# Altium PCB PCB1_done2.PcbDoc (part 2 of 3) (continued)
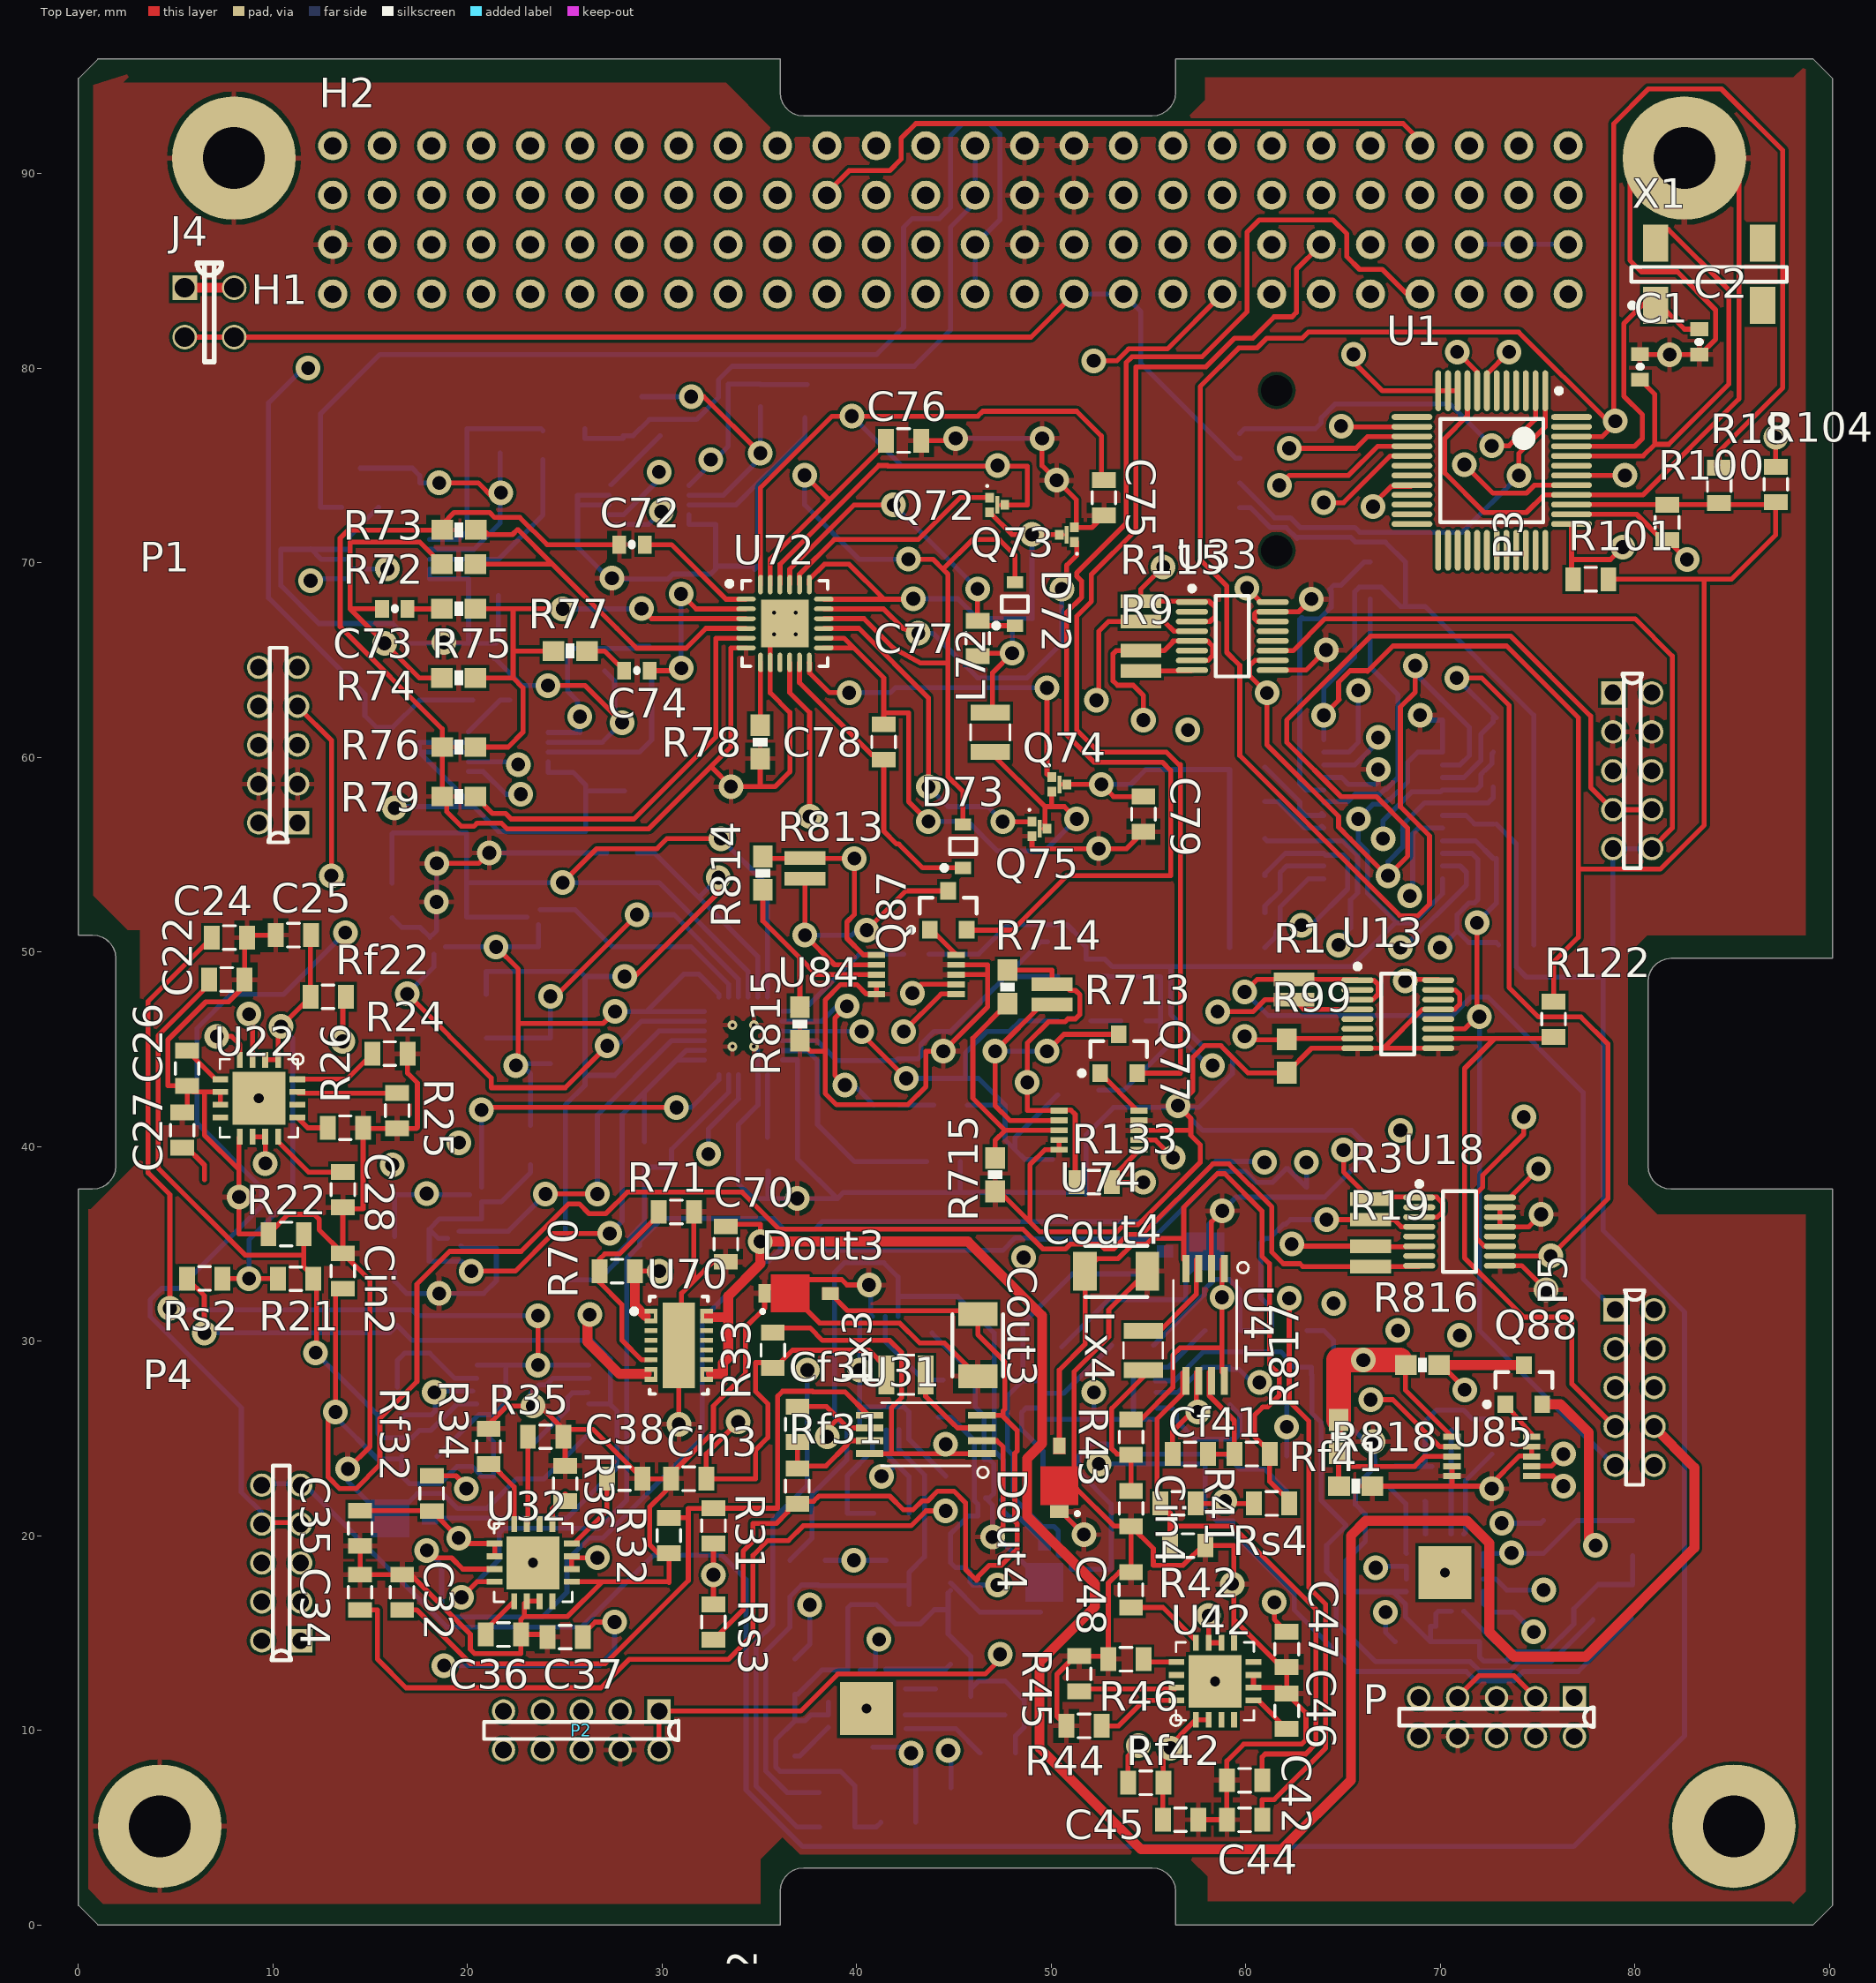
[diagram p0: Top Layer view]
## Nets (pads, with @x,y where several pads share a name; then routed paths per layer and width w, separated by ;. In a path a pad name is that pad's centre, name@x,y a point inside that pad or via, vN(x,y) a via of type N, cw(c..) or ccw(c..) an arc to the next point about the centre after c; other vN are vias at no path point) (continued)
  other v1: 59.309,17.526 18.55,32.459 36.957,37.338 18.415,52.578 52.451,55.319 16.256,57.404 68.969,62.177 18.796,65.913 27.432,69.215 50.292,74.25
  other v2: 33.625,45.148 33.625,46.248 34.725,46.248 36.868,66.338 35.768,67.438 36.868,67.438
ARRAYNX.5.VDD: P1.5 P1.6 P2.5 P2.6 P3.5 P3.6 P4.5 P4.6 P5.5 | length 211.4
  Top Signal Layer w0.254: P4.6@9.438,18.679 P4.6@9.596,18.679 ; P1.5@11.311,60.589 9.311,60.589 9.311,61.096 7.747,62.66 7.747,70.888 13.514,76.655 31.582,76.655 31.836,76.909 33.204,76.909 33.458,76.655 36.624,76.655 38.771,74.508 43.132,74.508 50.002,67.638 52.165,67.638 56.343,71.816 62.087,71.816 64.233,69.67 73.243,69.67 78.537,64.376 81.312,64.376 81.931,63.757 81.931,60.376 P3.6@80.875,59.32 P3.5@78.875,59.32 78.875,58.813 77.819,57.757 77.819,28.753 P5.5@78.875,27.697 ; P4.5@11.438,18.679 P4.6@9.596,18.679 ; P2.5@25.853,10.996 25.346,10.996 24.29,12.052 10.572,12.052 8.382,14.242 8.382,17.465 P4.6@9.596,18.679
  Bottom Signal Layer w0.254: P1.6@9.311,60.589 8.255,59.533 8.255,52.705 4.699,49.149 4.699,35.078 7.747,32.03 7.747,20.877 9.438,19.186 P4.6@9.438,18.679 ; P2.6@25.853,8.996 P2.5@25.853,10.996
ARRAYNX.7.SDA: P1.7 P1.8 P2.7 R102.2 U2.4 U18.10 | length 199.8
  Top Layer w0.254: P1.7@11.311,62.589 13.01,60.89 v1(13.01,53.922) ; v1(70.849,64.082) 72.144,64.082 73.541,62.685 73.541,48.187 75.06,46.669 77.238,46.669 78.621,45.286 78.621,37.325 v1(75.68,34.384) U18.10@73.076,34.384
  Top Signal Layer w0.254: P1.7@11.311,62.589 9.311,62.589 8.255,63.645 8.255,70.678 10.676,73.099 18.971,73.099 20.495,74.623 22.146,74.623 23.596,76.073 31.719,76.073 32.047,76.401 32.993,76.401 34.044,75.35 34.044,75.218 34.639,74.623 35.782,74.623 36.913,73.492 37.755,73.492 38.263,74 42.922,74 53.221,63.701 60.079,63.701 60.079,63.741 60.674,64.336 61.516,64.336 62.111,63.741 62.111,63.701 64.778,63.701 64.778,63.868 65.373,64.463 66.215,64.463 66.81,63.868 66.81,63.701 69.136,63.701 69.517,64.082 v1(70.849,64.082)
  Bottom Signal Layer w0.254: v1(13.01,53.922) 5.334,46.246 5.334,35.682 7.755,33.261 7.755,32.8 8.35,32.205 8.811,32.205 11.184,29.832 11.184,24.426 12.494,23.116 12.494,16.544 21.098,7.94 22.797,7.94 23.853,8.996 P2.7@23.853,10.996
  Bottom Layer w0.254: U2.4@70.114,58.976 71.216,58.976 72.093,59.853 72.093,61.192 72.728,61.827 R102.2@72.728,62.05 ; v1(70.849,64.082) R102.2@72.881,62.05
ARRAYNX.8.SDA: P2.8
ARRAYNX.10.SCL: P1.9 P1.10 P2.9 P2.10 R103.2 U2.5 U18.11 | length 171.2
  Top Layer w0.254: U18.11@73.076,34.884 72.259,34.884 71.87,35.273 71.87,37.604 72.181,37.915 72.181,38.526 74.295,40.64 v1(74.295,41.529)
  Top Signal Layer w0.254: P1.10@9.311,64.589 11.311,64.589 15.162,64.589 21.725,58.026 21.725,57.692 22.32,57.097 35.06,57.097 38.489,53.668 58.682,53.668 60.841,55.827 v1(67.064,55.827)
  Bottom Signal Layer w0.254: P1.9@11.311,64.589 20.105,55.795 20.105,45.123 21.742,43.486 21.742,40.945 19.987,39.19 18.599,39.19 17.71,40.079 15.716,40.079 15.121,39.484 15.121,38.642 17.367,36.396 18.844,36.396 21.636,33.604 21.636,17.099 21.853,16.882 P2.9@21.853,10.996 P2.10@21.853,8.996 ; v1(67.064,55.827) 67.064,55.105 67.231,54.938 67.739,54.938 68.334,54.343 72.612,54.343 74.303,52.652 v1@74.303,41.529
  Bottom Layer w0.254: v1@67.318,55.573 v1@67.318,55.954 ; v1@67.358,55.994 67.064,56.288 67.064,56.763 68.533,58.232 70.02,58.232 U2.5@70.114,58.326 71.849,58.326 72.093,58.57 72.093,59.134 72.316,59.358 72.329,59.358 72.652,59.681 72.652,60.196 R103.2@72.728,60.272
ARRAYNY.2.POS: P4.1 P4.2 R9.1 U33.5 U33.7 | length 89.8
  Top Layer w0.254: v1@54.745,62.304 54.745,63.193 54.223,63.715 53.41,63.715 53.187,63.938 53.187,65.335 53.348,65.496 R9.1@54.618,65.496 55.821,65.496 56.308,65.983 56.269,65.983 56.277,65.991 U33.5@57.242,65.991 58.043,65.991 58.301,65.733 58.301,65.225 58.067,64.991 U33.7@57.242,64.991
  Top Signal Layer w0.254: P4.2@9.565,14.552 30.642,14.552 39.505,23.415 39.505,25.22 v1(48.586,34.301)
  Bottom Signal Layer w0.254: v1(48.586,34.301) 54.745,40.46 v1(54.745,61.923)
ARRAYNY.4.NEG: P4.3 P4.4
ARRAYNY.7.SDA: P3.7 P3.8 P4.7 P4.8 R112.2 U2.6 U33.10 | length 162.6
  Top Layer w0.254: P4.8@9.438,20.679 P4.7@11.438,20.679 ; U33.10@61.392,64.991 60.48,64.991 60.206,64.717 60.206,64.209 v1(61.095,63.32) 61.095,60.653 64.778,56.97 64.778,56.422 65.373,55.827 67.298,53.902 v1(67.318,53.922) 68.334,54.938 68.334,56.375 66.723,57.986 64.905,57.986 62.111,60.78 62.111,61.919 66.433,66.241 73.624,66.241 77.732,62.133 77.732,58.463 P3.7@78.875,57.32 P3.8@80.875,57.32
  Top Signal Layer w0.254: v1(13.724,51.001) 20.769,51.001 21.054,51.286 27.912,51.286 28.293,50.905 35.94,50.905 36.925,51.89 38.322,51.89 40.1,50.112 60.166,50.112 62.452,52.398 65.794,52.398 v1(67.318,53.922)
  Bottom Layer w0.254: P4.8@9.438,20.679 9.438,21.186 8.382,22.242 8.382,26.585 3.691,31.276 3.691,32.118 4.286,32.713 5.18,32.713 9.406,36.939 9.406,37.906 6.104,41.208 6.104,46.088 7.842,47.826 10.549,47.826 v1(13.724,51.001) ; v1(67.318,53.922) 67.318,54.644 68.08,55.406 68.08,56.248 68.058,56.27 68.08,56.291 68.08,56.556 68.371,56.846 69.2,57.676 U2.6@70.114,57.676 72.469,57.676 72.728,57.935 R112.2@72.728,58.494
ARRAYNY.9.SCL: P3.9 P3.10 P4.9 P4.10 R113.2 U2.7 U33.11 | length 189.7
  Top Layer w0.254: U33.11@61.392,65.491 62.443,65.491 64.082,67.13 80.018,67.13 81.931,65.217 81.931,56.376 P3.10@80.875,55.32
  Bottom Layer w0.254: P4.10@9.438,22.679 11.438,22.679 11.585,22.679 18.95,15.314 25.876,15.314 29.572,19.01 33.068,19.01 34.323,17.754 34.323,6.939 37.226,4.036 76.868,4.036 82.558,9.726 82.558,31.507 78.367,35.698 78.367,48.715 ; U2.7@70.114,57.026 71.326,57.026 71.763,56.589 R113.2@72.728,56.589 ; R113.2@72.881,56.589 73.908,55.562 73.908,49.237 74.43,48.715 78.367,48.715 ; P3.10@80.875,55.32 P3.9@78.875,55.32 78.875,49.223 78.367,48.715
ARRAYNZ.1.POS: P5.1 R1.1 U13.1 U13.3 | length 41
  Top Layer w0.254: v1(59.952,47.953) 60.604,48.605 R1.1@62.492,48.605 65.737,48.605 U13.1@65.751,48.591 ; U13.3@65.751,47.56 66.544,47.56 66.81,47.826 66.81,48.334 66.584,48.56 U13.1@65.751,48.56
  Bottom Layer w0.254: v1(59.952,47.953) 61.169,46.736 70.633,46.736 71.596,47.699 72.438,47.699 77.351,42.786 77.351,33.221 P5.1@78.875,31.697
ARRAYNZ.7.SDA: P5.7 R122.2 U2.8 U13.10 | length 69.9
  Top Layer w0.254: U13.10@69.901,45.56 R122.2@75.827,45.56 ; 72.799,45.56 71.255,44.016 71.255,34.279 74.297,31.237 76.433,31.237 76.764,30.906 76.764,27.808 P5.7@78.875,25.697
  Top Signal Layer w0.254: v1@68.423,53.238 68.423,52.9 v1(68.437,52.886) ; v1@71.001,30.173 75.477,25.697 P5.7@78.875,25.697
  Bottom Signal Layer w0.254: v1@68.423,53.238 71.001,50.66 v1(71.001,30.3)
  Bottom Layer w0.254: v1@68.334,52.886 68.588,53.14 68.588,56.081 68.883,56.376 U2.8@70.114,56.376
ARRAYNZ.8.NC: C70.1 H2.21 H2.45 H2.46 P5.8 U70.9 U70.10 U70.15 U70.16 | length 151.8
  Top Layer w0.254: C70.1@33.282,35.899 33.398,36.015 35.06,36.015 v1(35.06,35.126) ; H2.21@38.544,88.837 38.544,89.09 39.624,90.17 41.713,90.17 42.291,90.748 42.291,91.821 43.053,92.583 68.093,92.583 H2.46@69.099,91.578
  Top Layer w0.508: 32.294,31.242 33.389,31.242 ; 32.512,28.321 33.069,28.321 ; 33.13,28.321 33.13,28.878 33.409,29.157 33.409,32.332 35.06,33.983 v1(35.06,35.126) 45.728,35.126 49.538,31.316 49.538,24.742 48.768,23.972 48.768,21.015 52.253,17.53 52.253,16.36 49.404,13.51 49.404,9.098 54.618,3.884 61.857,3.884 65.413,7.44 65.413,20.013 66.175,20.775 71.382,20.775 72.525,19.632 72.525,15.06 73.795,13.79 77.478,13.79 83.066,19.378 83.066,23.506 P5.8@80.875,25.697
ARRAYNZ.9.SCL: P5.9 R123.2 U2.9 U13.11 | length 39.6
  Top Layer w0.254: U13.11@69.901,46.06 71.267,46.06 71.89,46.683 v1(71.89,51.509)
  Bottom Layer w0.254: U2.9@70.114,55.726 71.813,55.726 R123.2@72.728,54.811 ; v1(71.89,51.509) 72.881,52.5 R123.2@72.881,54.811 ; v1(72.017,46.683) 72.017,30.555 P5.9@78.875,23.697
ARRAYNZ.10.COM: C75.1 C85.1 P5.10 Q72.3 Q72.4 Q82.3 Q82.4 U72.22 U72.24 U82.22 U82.24 | length 104.4
  Top Layer w0.254: v1(24.9,53.572) 26.647,55.319 29.742,55.319 30.25,55.827 v1(33.028,55.827) ; U72.24@35.068,68.888 35.068,73.869 38.743,77.544 v1(39.759,77.544) 46.236,77.544 46.49,77.798 51.316,77.798 52.586,76.528 52.586,74.38 C75.1@52.713,74.253 ; U72.22@36.068,68.888 36.068,69.932 41.144,75.008 41.588,75.008 ; 41.616,74.98 48.776,74.98 48.776,72.984 Q72.3@47.623,72.984 Q72.3@47.432,72.984
  Bottom Layer w0.254: C85.1@16.133,53.541 16.133,56.077 16.176,56.12 19.951,56.12 19.951,53.572 ; Q82.3@23.062,51.794 19.951,51.794 19.951,53.572 ; v1(33.028,55.827) 35.425,53.43 U82.24@35.425,47.698 ; U82.22@34.425,47.698 34.425,49.004 29.857,53.572 v1(24.9,53.572) 19.951,53.572 ; v1(39.759,77.544) 42.299,75.004 v1(47.252,75.004)
ARRAYX.1.POS: P1.1 P1.2 R3.1 U18.1 U18.3 | length 82.9
  Top Layer w0.254: v1(65.032,39.825) 65.032,38.699 R3.1@66.429,37.302 66.542,37.415 69.821,37.415 70.132,37.104 70.132,36.664 69.852,36.384 U18.3@68.926,36.384
  Top Signal Layer w0.254: v1(19.566,40.206) 31.285,40.206 31.92,40.841 32.866,40.841 35.152,38.555 37.438,38.555 39.47,36.523 56.864,36.523 60.547,40.206 63.548,40.206 63.929,39.825 v1(65.032,39.825)
  Bottom Signal Layer w0.254: P1.2@9.311,56.589 11.311,56.589 15.537,56.589 17.153,54.973 17.153,49.044 17.919,48.278 17.919,47.436 17.153,46.67 17.153,42.619 v1(19.566,40.206)
ARRAYY.2.POS: P3.1 P3.2 R115.1 U33.1 U33.3 | length 35.8
  Top Layer w0.254: v1(55.761,69.797) 54.618,68.654 R115.1@54.618,68.036 58.123,68.036 58.448,67.711 58.448,67.271 58.168,66.991 U33.3@57.242,66.991
  Top Signal Layer w0.254: v1(55.761,69.797) 60.766,69.797 61.401,69.162 73.033,69.162 P3.1@78.875,63.32 P3.2@80.875,63.32
"CTS MHX": H1.35
DIR-X: H2.12
DIR-Y: H2.11
DIR-Z: H2.9
"DSR MHX": H1.37 R104.1 U1.20 | length 51.7
  Top Layer w0.254: v1(52.197,80.391) 53.378,80.391 53.985,80.998 55.979,80.998 H1.37@58.801,83.82 ; v1(66.548,72.898) 66.548,73.003 67.474,73.929 68.481,73.929 U1.20@68.552,74 ; R104.1@87.249,74.941 v1@87.249,76.2
  Top Signal Layer w0.254: v1(66.548,72.898) 83.693,72.898 v1(87.249,76.454)
  Bottom Signal Layer w0.254: v1@52.324,80.264 52.832,80.772 58.165,80.772 61.151,77.786 61.66,77.786 v1(66.548,72.898)
"DTR MHX": H1.38
FAULT: H1.25
FIPEX_3.3V: H1.42 Q77.2 | length 57.8
  Top Layer w0.254: Q77.2@54.425,43.778 56.65,43.778 56.65,59.637 56.564,59.637 55.929,60.272 52.459,60.272 51.316,61.415 51.316,67.261 52.078,68.023 52.078,69.416 54.364,71.702 54.364,80.084 57.964,80.084 59.439,81.559 60.377,81.559 61.467,82.649 62.385,82.649 62.611,82.874 62.611,85.09 63.828,86.307 H1.42@64.209,86.307
FIPEX_5V: H1.45 Q87.2 | length 66.5
  Top Layer w0.254: Q87.2@45.678,51.128 48.014,51.128 50.808,53.922 56.142,53.922 56.142,59.341 55.719,59.764 52.205,59.764 50.808,61.161 50.808,67.471 51.57,68.233 51.57,69.075 51.316,69.329 51.316,69.487 53.856,72.027 53.856,80.294 54.154,80.592 57.753,80.592 59.229,82.068 ; 59.23,82.067 60.071,82.908 60.071,86.995 60.706,87.63 64.485,87.63 65.206,86.909 65.206,85.743 65.859,85.09 67.025,85.09 68.295,83.82 H1.45@68.961,83.82
FPXRTN: P.4 R99.1 U13.7 | length 58.1
  Top Layer w0.254: v1(59.952,45.667) 60.118,45.501 62.111,45.501 62.17,45.56 U13.7@65.751,45.56
  Bottom Signal Layer w0.254: v1(59.952,45.667) 59.46,45.175 59.829,44.805 59.829,43.543 59.19,42.904 59.19,42.17 59.722,41.638 59.722,40.797 59.952,40.567 59.952,38.769 61.087,37.634 61.087,35.582 59.19,33.685 59.19,33.642 59.825,33.007 59.825,32.006 59.19,31.371 59.19,28.816 59.698,28.308 59.698,25.982 66.302,19.378 67.104,19.378 67.787,18.695 67.787,16.917 68.207,16.497 68.207,15.655 67.787,15.235 67.787,8.559 68.406,7.94 73.28,7.94 P.4@74.843,9.503
IO0: H1.24
IO1: H1.23
IO2: H1.22
IO3: H1.21
IO4: H1.20 U1.41 | length 76.8
  Top Layer w0.254: v1(71.247,75.057) 72.722,73.582 74.428,73.582 74.846,74 U1.41@76.752,74
  Top Signal Layer w0.254: H1.20@35.941,86.36 36.97,87.389 77.076,87.389 83.117,81.348 83.117,80.157 80.416,77.457 80.416,74.121 79.881,73.586 78.281,73.586 74.932,76.934 72.273,76.934 71.738,76.399 71.738,75.548 v1(71.247,75.057)
IO5: H1.19 U1.42 | length 65.5
  Top Layer w0.254: U1.42@76.752,74.5 v1(79.502,74.5)
  Top Signal Layer w0.254: H1.19@35.941,83.82 37.025,83.82 38.055,84.849 46.527,84.849 47.612,83.765 47.612,83.394 48.215,82.791 49.067,82.791 50.152,83.875 50.152,84.246 50.755,84.849 61.767,84.849 62.852,83.765 62.852,83.394 63.455,82.791 70.303,82.791 73.162,79.932 77.386,79.932 79.073,81.618 82.175,81.618 82.71,81.083 82.71,80.325 82.175,79.79 80.208,79.79 78.088,77.669 78.088,75.914 v1(79.502,74.5)
IO6: H1.18
IO7: H1.17
IO8: H1.16
IO9: H1.15
IO10: H1.14
IO11: H1.13
IO12: H1.12
IO13: H1.11
IO14: H1.10
IO15: H1.9
IO16: H1.8
IO17: H1.7
IO18: H1.6
IO19: H1.5
IO20: H1.4
IO21: H1.3
IO24: H2.24
IO25: H2.23
IO26: H2.22
IO28: H2.20
IO29: H2.19
IO30: H2.18
IO31: H2.17
IO32: H2.16
IO33: H2.15
IO34: H2.14
IO35: H2.13
IO38: H2.10
IO40: H2.8
IO41: H2.7
IO42: H2.6
IO43: H2.5
IO44: H2.4
IO45: H2.3
IO46: H2.2
IO47: H2.1
NARRZ-: P5.3
NetC1_2: C1.2 U1.44 X1.4 | length 22.3
  Top Layer w0.254: U1.44@77.641,75.5 80.436,75.5 81.034,76.098 ; C1.2@80.231,79.424 C1.2@80.272,79.424 81.034,78.662 81.034,76.098 ; X1.4@81.078,87.145 81.72,87.145 84.844,84.021 84.844,79.195 81.747,76.098 81.034,76.098
NetC2_2: C2.2 U1.45 X1.1 | length 14.8
  Top Layer w0.254: U1.45@77.641,76 79.998,76 ; 80.006,76.008 80.399,76.401 80.399,77.613 79.434,78.578 79.434,82.301 81.078,83.945 81.078,83.494 82.558,82.014 C2.2@83.32,82.014
NetC12_1: C12.1 R11.1 R12.2 U11.5 | length 38.8
  Bottom Layer w0.254: U11.5@55.355,27.973 56.355,27.973 57.844,29.462 61.806,29.462 62.111,29.157 62.111,29.041 62.478,28.674 63.381,28.674 63.381,28.268 ; 63.406,28.268 63.406,26.296 63.889,25.813 63.889,21.816 R12.2@65.159,20.546 ; R12.2@65.159,20.51 64.168,19.519 64.168,18.168 64.651,17.685 64.651,15.568 66.683,13.536 71.547,13.536 72.03,13.053 73.579,13.053 74.062,13.536 75.711,13.536 C12.1@77.859,15.684
NetC14_1: C14.1 R13.1 U11.1 U11.8 | length 54.1
  Bottom Signal Layer w0.254: v1(52.205,27.379) 52.205,26.109 52.459,25.855 v1(52.459,23.696)
  Bottom Layer w0.254: U11.1@49.609,25.982 52.078,25.982 ; v1(52.205,27.379) 52.205,26.109 52.078,25.982 ; v1(52.459,23.696) 52.459,23.242 52.913,23.696 57.878,23.696 57.92,23.654 57.92,21.37 58.515,20.775 59.357,20.775 59.357,20.14 62.492,17.005 62.492,16.203 65.667,13.028 71.337,13.028 71.819,12.545 73.789,12.545 74.272,13.028 77.097,13.028 C14.1@79.822,15.753 ; U11.8@55.329,25.982 54.237,25.982 ; R13.1@57.909,30.554 56.014,28.659 54.486,28.659 54.237,28.41 54.237,25.982 ; 52.078,25.982 54.237,25.982
NetC15_1: C15.1 R11.2 Rf12.1 Rs1.2 U12.1 U12.2 | length 27.1
  Bottom Signal Layer w0.254: v1(62.111,25.601) 62.111,24.287 66.512,19.886 71.718,19.886 71.756,19.848 ; 71.763,19.848 71.756,19.848 ; v1(73.668,19.124) 72.48,19.124 71.756,19.848
  Bottom Layer w0.254: Rs1.2@62.111,24.102 v1(62.111,25.601) R11.2@62.111,27.1 ; U12.2@72.214,18.438 U12.1@72.214,19.099 75.319,19.099 77.006,20.786 C15.1@79.891,20.786
NetC16_2: C16.2 U12.5 | length 2.2
  Bottom Layer w0.254: U12.5@71.214,16.133 71.223,16.133 C16.2@72.804,14.552
NetC18_1: C18.1 U12.12 | length 3.7
  Bottom Layer w0.254: C18.1@67.456,22.426 68.232,21.65 68.232,19.124 U12.12@68.258,19.099
NetC22_1: C22.1 R21.1 R22.2 U21.5 | length 37.9
  Top Layer w0.254: C22.1@6.855,48.588 6.98,48.588 4.097,45.705 4.097,38.911 8.573,34.435 11.59,34.435 ; R22.2@11.59,35.507 11.59,34.435 ; R21.1@12.073,33.348 11.59,33.831 11.59,34.435 ; R21.1@12.148,33.147 12.251,33.043 v1@12.251,29.335
  Bottom Layer w0.254: v1(12.2,29.411) 15.4,26.211 15.4,25.265 15.624,25.042 17.158,25.042 17.539,25.423 18.118,25.423 18.459,25.764 19.14,26.445 19.48,26.785 U21.5@20.48,26.785
NetC24_1: C24.1 R23.1 U21.1 U21.8 | length 54.9
  Top Layer w0.254: v1@4.707,31.606 4.707,37.539 3.589,38.657 3.589,47.47 C24.1@6.866,50.747 ; v1(23.63,28.776) v1(23.63,31.316)
  Bottom Layer w0.254: v1(4.707,31.697) 4.798,31.606 17.158,31.606 17.449,31.316 v1(23.63,31.316) ; R23.1@18.434,24.077 20.583,26.226 21.349,26.226 21.979,26.856 21.979,28.776 ; U21.8@20.506,28.776 21.979,28.776 ; U21.1@26.226,28.776 v1(23.63,28.776) 21.979,28.776
NetC25_1: C25.1 R21.2 Rf22.1 Rs2.2 U22.1 U22.2 | length 24.8
  Top Layer w0.254: Rs2.2@7.374,33.221 9.025,33.221 R21.2@10.295,33.221 ; U22.2@9.609,44.467 U22.1@10.27,44.467 10.27,46.034 Rf22.1@11.935,47.699 C25.1@11.935,50.874
  Bottom Layer w0.254: v1(8.771,33.221) 8.771,35.213 11.019,37.461 11.019,45.578 v1(10.422,46.175)
NetC26_2: C26.2 U22.5 | length 2.3
  Top Layer w0.254: C26.2@5.596,44.93 7.059,43.467 U22.5@7.304,43.467
NetC28_1: C28.1 U22.12 | length 4.2
  Top Layer w0.254: U22.12@10.27,40.511 10.27,40.257 11.311,39.215 11.833,38.693 C28.1@13.597,38.693
NetC32_1: C32.1 R31.1 R32.2 U31.5 | length 37.5
  Top Layer w0.254: C32.1@17.153,16.192 17.405,16.192 20.163,13.434 27.084,13.434 31.352,17.702 31.352,20.927 ; R32.2@30.361,20.927 31.352,20.927 ; U31.5@40.673,26.195 40.617,26.195 39.407,27.404 37.758,27.404 37.732,27.43 36.198,27.43 35.949,27.181 35.949,21.421 R31.1@32.647,21.421 32.636,21.41 31.352,21.41 31.352,20.927
NetC34_1: C34.1 R33.1 U31.1 U31.8 | length 61.5
  Top Layer w0.254: C34.1@14.486,16.192 15.375,16.192 15.375,13.663 16.846,12.192 26.858,12.192 28.318,13.652 33.409,13.652 34.679,14.922 ; 34.679,14.933 34.679,18.997 35.441,19.759 36.499,19.759 37.261,20.521 42.807,20.521 43.569,21.283 v1(44.585,21.283) ; R33.1@35.822,30.692 37.604,30.692 38.25,30.046 41.708,30.046 42.324,29.429 42.324,27.107 41.791,26.573 41.791,24.229 ; U31.8@40.673,24.229 41.791,24.229 ; v1(44.585,24.712) v1@44.585,24.229 ; U31.1@46.444,24.229 v1@44.585,24.229 ; 41.791,24.229 v1@44.585,24.229
  Top Signal Layer w0.254: v1(44.585,21.283) v1(44.585,24.712)
NetC35_1: C35.1 R31.2 Rf32.1 Rs3.2 U32.1 U32.2 | length 25.7
  Top Layer w0.254: C35.1@14.486,21.294 18.147,21.294 Rf32.1@18.169,21.272 v1(19.555,19.886) 19.834,19.607 U32.1@21.401,19.607 U32.2@21.401,18.946 ; Rs3.2@32.647,16.482 v1(32.647,17.994) R31.2@32.647,19.607
  Top Signal Layer w0.254: v1(19.555,19.886) 21.389,19.886 21.859,20.356 30.285,20.356 v1(32.647,17.994)
NetC36_2: C36.2 U32.5 | length 2.3
  Top Layer w0.254: C36.2@20.938,14.933 20.938,15.178 U32.5@22.401,16.641
NetC38_1: C38.1 U32.12 | length 4.2
  Top Layer w0.254: U32.12@25.357,19.607 25.484,19.607 26.78,20.902 27.175,21.297 C38.1@27.175,22.934
NetC42_1: C42.1 R41.1 R42.2 U41.5 | length 30.1
  Top Layer w0.254: R42.2@56.117,19.505 56.117,21.181 55.456,21.842 55.456,26.015 56.767,27.326 U41.5@56.767,28.37 ; 56.117,20.496 59.342,20.496 63.61,16.228 63.61,9.307 63.089,8.786 61.003,8.786 60.852,8.636 C42.1@60.852,7.44
NetC44_1: C44.1 R43.1 U41.1 U41.8 | length 46.2
  Top Layer w0.254: R43.1@54.11,25.979 54.615,25.979 56.259,27.623 56.259,29.289 56.635,29.665 58.784,29.665 ; U41.8@58.784,28.42 58.784,29.665 ; U41.1@58.784,34.191 58.784,29.665 ; C44.1@60.852,5.408 60.852,6.449 61.47,6.449 64.118,9.097 64.118,16.482 63.254,17.346 63.254,25.895 62.238,26.911 v1(62.238,32.205)
  Top Signal Layer w0.254: v1(58.784,32.258) 58.784,32.561 58.809,32.586 59.038,32.586 59.419,32.205 v1(62.238,32.205)
NetC45_1: C45.1 R41.2 Rf42.1 Rs4.2 U42.1 U42.2 | length 23.2
  Top Layer w0.254: C45.1@55.75,5.408 Rf42.1@55.75,7.291 ; Rf42.1@55.772,7.313 55.772,8.88 U42.1@57.437,10.545 U42.2@58.098,10.545 ; R41.2@57.539,21.664 58.936,21.664 Rs4.2@60.435,21.664 Rs4.2@60.46,21.664
  Top Signal Layer w0.254: v1(56.142,9.091) 56.142,18.87 58.936,21.664 v1(58.936,21.791)
NetC46_2: C46.2 U42.5 | length 2.3
  Top Layer w0.254: U42.5@60.403,11.545 60.648,11.545 C46.2@62.111,10.082
NetC48_1: C48.1 U42.12 | length 4.2
  Top Layer w0.254: C48.1@54.11,16.319 55.747,16.319 56.269,15.797 57.437,14.628 U42.12@57.437,14.501
NetC52_1: C52.1 R51.1 R52.2 U51.5 | length 28.9
  Bottom Layer w0.254: C52.1@38.084,6.805 36.444,6.805 35.339,7.91 35.339,14.069 36.584,15.314 36.584,16.878 37.179,17.473 38.021,17.473 38.046,17.448 42.705,17.448 ; U51.5@42.172,25.458 42.172,24.458 43.493,23.137 43.493,18.921 42.705,18.133 42.705,17.448 ; R52.2@42.705,16.457 42.705,17.448
NetC54_1: C54.1 R53.1 U51.1 U51.8 | length 41.8
  Bottom Signal Layer w0.254: v1(37.473,28.522) v1(40.165,28.522)
  Bottom Layer w0.254: v1(37.473,28.522) 37.473,22.595 35.695,20.817 35.695,15.441 34.831,14.577 34.831,7.15 36.954,5.027 C54.1@38.097,5.027 ; U51.8@40.165,25.499 40.165,26.617 ; U51.1@40.165,31.27 v1(40.165,28.522) 40.165,26.617 ; R53.1@44.585,23.072 42.69,24.967 42.69,26.368 42.441,26.617 40.165,26.617
NetC55_1: C55.1 R51.2 Rf52.1 Rs5.2 U52.1 U52.2 | length 19.9
  Bottom Signal Layer w0.254: v1(39.867,18.743) 42.807,15.803 v1(42.807,8.837)
  Bottom Layer w0.254: Rs5.2@38.387,18.743 v1(39.867,18.743) R51.2@41.512,18.743 ; U52.2@40.851,9.148 U52.1@41.512,9.148 42.496,9.148 v1(42.807,8.837) ; C55.1@43.05,5.281 v1@43.05,8.837
NetC56_2: C56.2 U52.5 | length 2.3
  Bottom Layer w0.254: C56.2@36.838,8.685 37.083,8.685 U52.5@38.546,10.148
NetC58_1: C58.1 U52.12 | length 3.4
  Bottom Layer w0.254: U52.12@41.512,13.144 44.574,13.144 C58.1@44.839,13.409
NetC72_2: C72.2 U72.1 | length 6.4
  Top Layer w0.254: C72.2@29.116,70.94 30.488,70.94 33.29,68.138 U72.1@34.318,68.138
NetC73_2: C73.2 R75.2 | length 1.8
  Top Layer w0.254: C73.2@16.924,67.638 R75.2@18.678,67.638
NetC74_1: C74.1 R77.2 | length 2.3
  Top Layer w0.254: R77.2@26.145,65.479 27.044,65.479 C74.1@28.06,64.463
NetC74_2: C74.2 U72.2 | length 9.5
  Top Layer w0.254: C74.2@29.37,64.463 30.743,64.463 30.87,64.59 v3(30.996,64.59) ; v1(30.984,68.412) 31.758,67.638 U72.2@34.318,67.638
  Bottom Layer w0.254: v1(30.984,68.412) 30.984,64.856 31.25,64.59 v3(30.996,64.59)
NetC76_1: C76.1 D72.2 D73.2 U72.16 U72.23 | length 48.6
  Top Layer w0.254: U72.23@35.568,68.888 35.568,70.202 38.61,73.244 ; v1(37.334,74.508) 38.598,73.244 38.61,73.244 ; U72.16@38.318,67.138 40.386,67.138 41.906,65.618 43.303,64.856 44.7,64.856 ; C76.1@41.652,76.286 38.61,73.244 ; v1(42.668,70.19) 43.938,70.19 44.446,69.682 ; D73.2@45.474,56.561 45.474,58.24 44.7,59.014 44.7,64.856 ; D72.2@48.141,69.007 48.141,70.404 47.339,71.206 45.97,71.206 44.446,69.682 ; 44.446,69.682 44.7,69.428 44.7,64.856
  Bottom Layer w0.254: v1(37.334,74.508) 37.334,72.984 40.128,70.19 42.414,70.19 v1@42.668,70.444
NetC77_1: C77.1 D72.1 U72.21 | length 17.4
  Top Layer w0.254: U72.21@36.568,68.888 36.568,69.678 39.874,72.984 v1(41.906,72.984) ; v1(46.224,68.666) 46.224,66.776 D72.1@48.141,66.777
  Bottom Layer w0.254: v1(41.906,72.984) v1(46.224,68.666)
NetC77_2: C77.2 L72.1 Q72.2 Q73.3 Q73.4 U72.18 U72.19 | length 31.8
  Top Layer w0.254: U72.19@37.568,68.888 37.568,69.154 38.35,69.936 39.62,69.936 41.398,68.158 41.378,68.138 ; U72.18@38.318,68.138 41.378,68.138 ; v1(42.922,68.158) 42.902,68.138 41.378,68.138 ; C77.2@46.326,65.364 v1(48.002,65.364) 46.998,64.36 L72.1@46.998,62.304 ; Q72.2@46.846,72.609 47.995,71.46 v1(49.018,71.46) Q73.3@50.584,71.46
  Bottom Layer w0.254: v1(42.922,68.158) 45.208,68.158 46.224,67.142 48.002,67.142 ; v1(48.002,65.364) 48.002,67.142 ; 49.018,67.13 v1(49.018,71.46) ; 49.03,67.142 48.002,67.142
NetC78_1: C78.1 D73.1 U72.11 | length 15.6
  Top Layer w0.254: U72.11@37.068,64.888 37.068,63.852 40.778,60.142 41.398,60.142 41.398,56.22 42.06,55.558 ; 42.172,55.558 43.399,54.331 D73.1@45.474,54.331
NetC78_2: C78.2 L72.2 Q74.2 Q75.3 Q75.4 U72.13 U72.14 | length 32.4
  Top Layer w0.254: U72.13@38.318,65.638 39.854,65.638 ; U72.14@38.318,66.138 39.354,66.138 39.854,65.638 ; C78.2@41.398,61.452 41.398,62.304 ; v1(43.696,56.716) 42.68,57.732 42.68,62.304 41.398,62.304 ; L72.2@46.871,60.288 49.693,57.466 49.693,56.436 Q75.3@49.794,56.335 Q75.3@49.623,56.335 ; 49.706,57.479 50.033,57.479 ; Q74.2@50.033,58.246 50.033,57.479 ; v1@51.43,56.843 v1(51.316,56.843) 50.68,57.479 50.033,57.479 ; 39.854,65.638 41.398,64.094 41.398,62.304
  Bottom Layer w0.254: v1(43.696,56.716) 45.728,56.716 47.252,55.192 49.665,55.192 v1(51.316,56.843)
NetC82_2: C82.2 U82.1 | length 7.5
  Bottom Layer w0.254: U82.1@36.187,46.96 37.215,46.96 40.152,49.897 C82.2@42.425,49.897